# Altium PCB STM32F405_CORE.PcbDoc
Units mil, origin at the board's own origin, x right, y up, seen from the top; angles counter-clockwise.
Board outline 1574.8 x 1377.95 mil, 2 copper layers (Top Layer, Bottom Layer); 35 components, 32 nets, 173 pads, 47 vias.
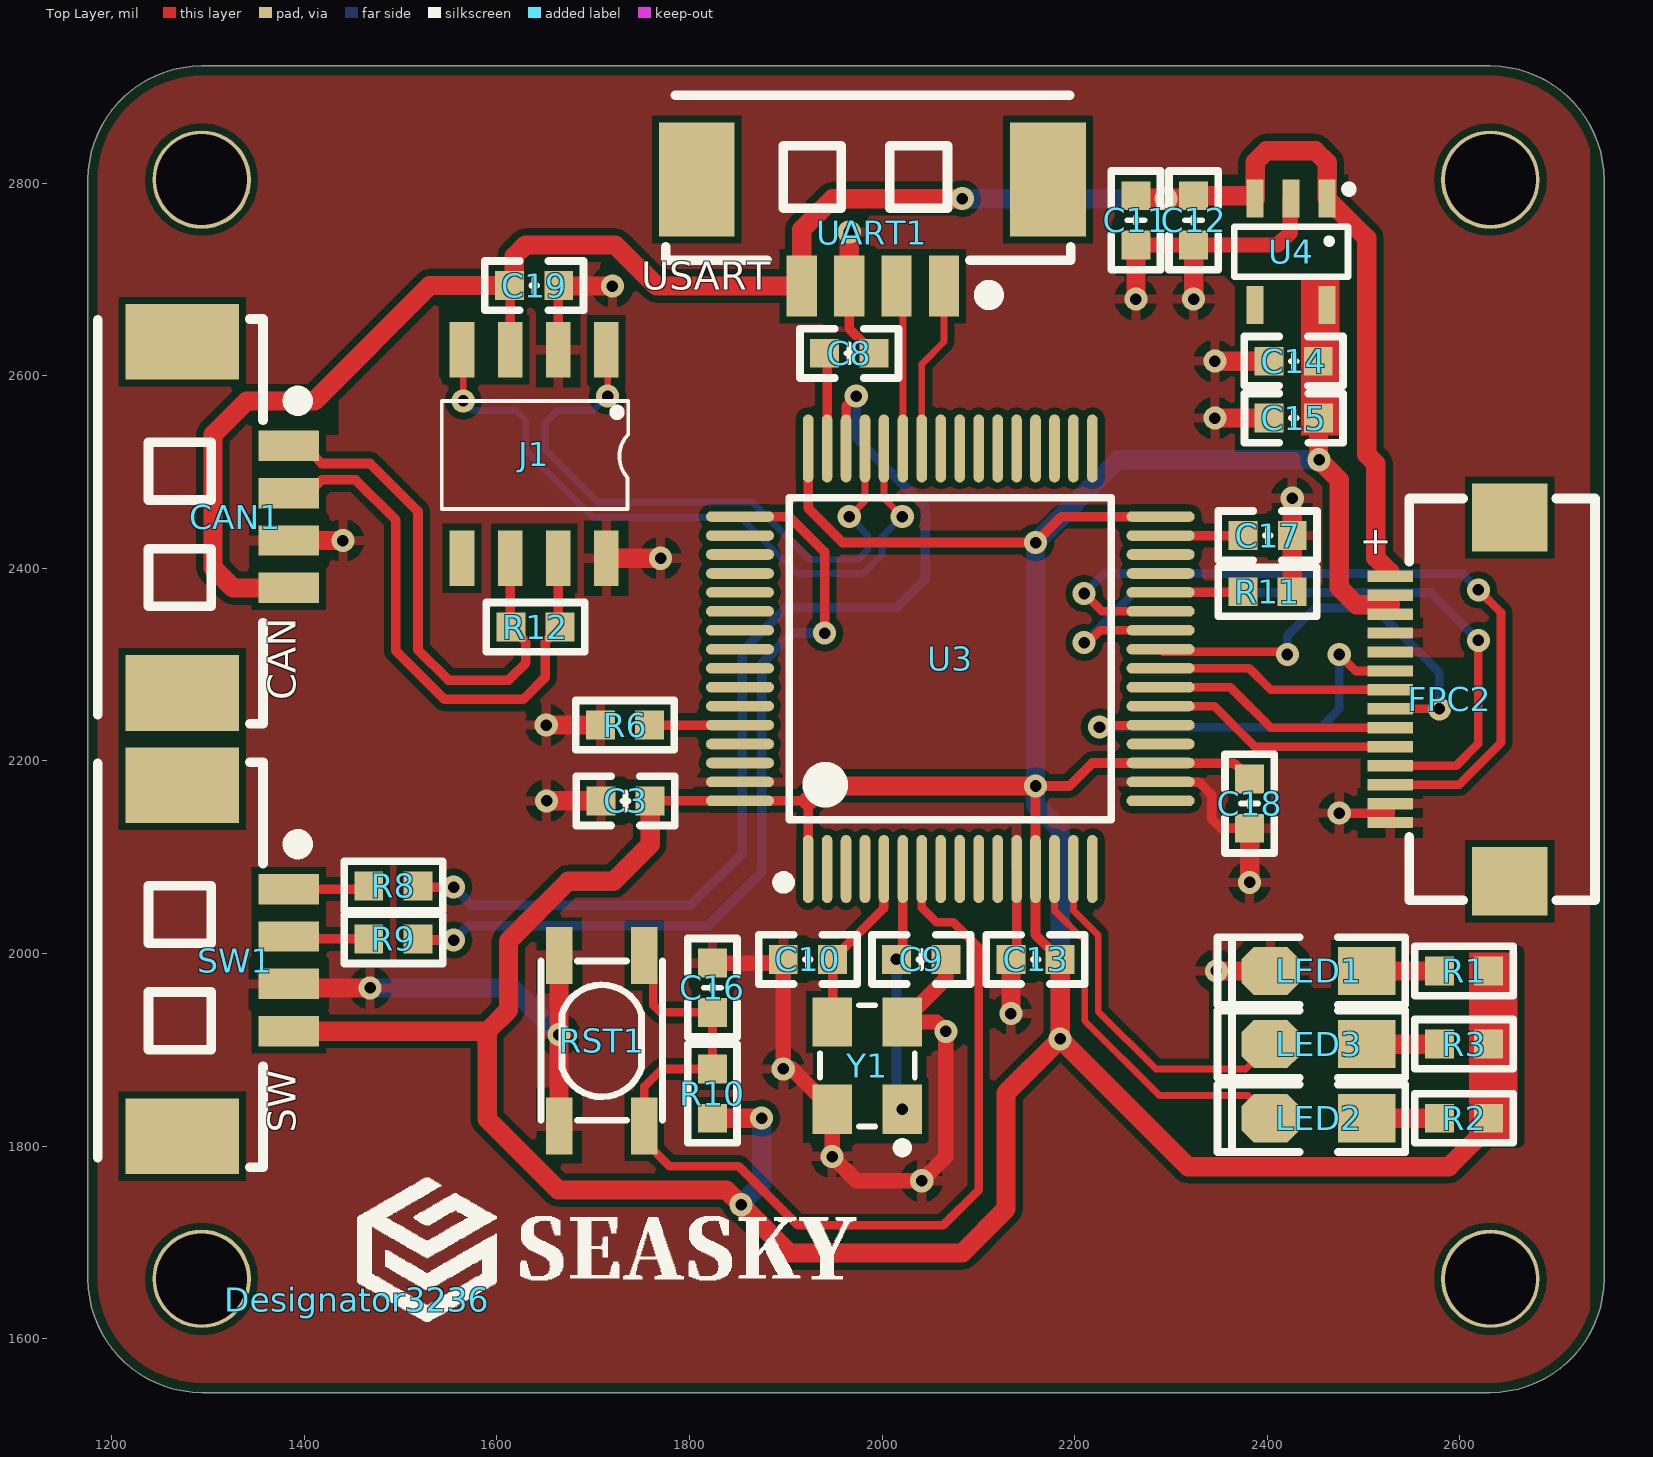
[diagram p0: Top Layer view]
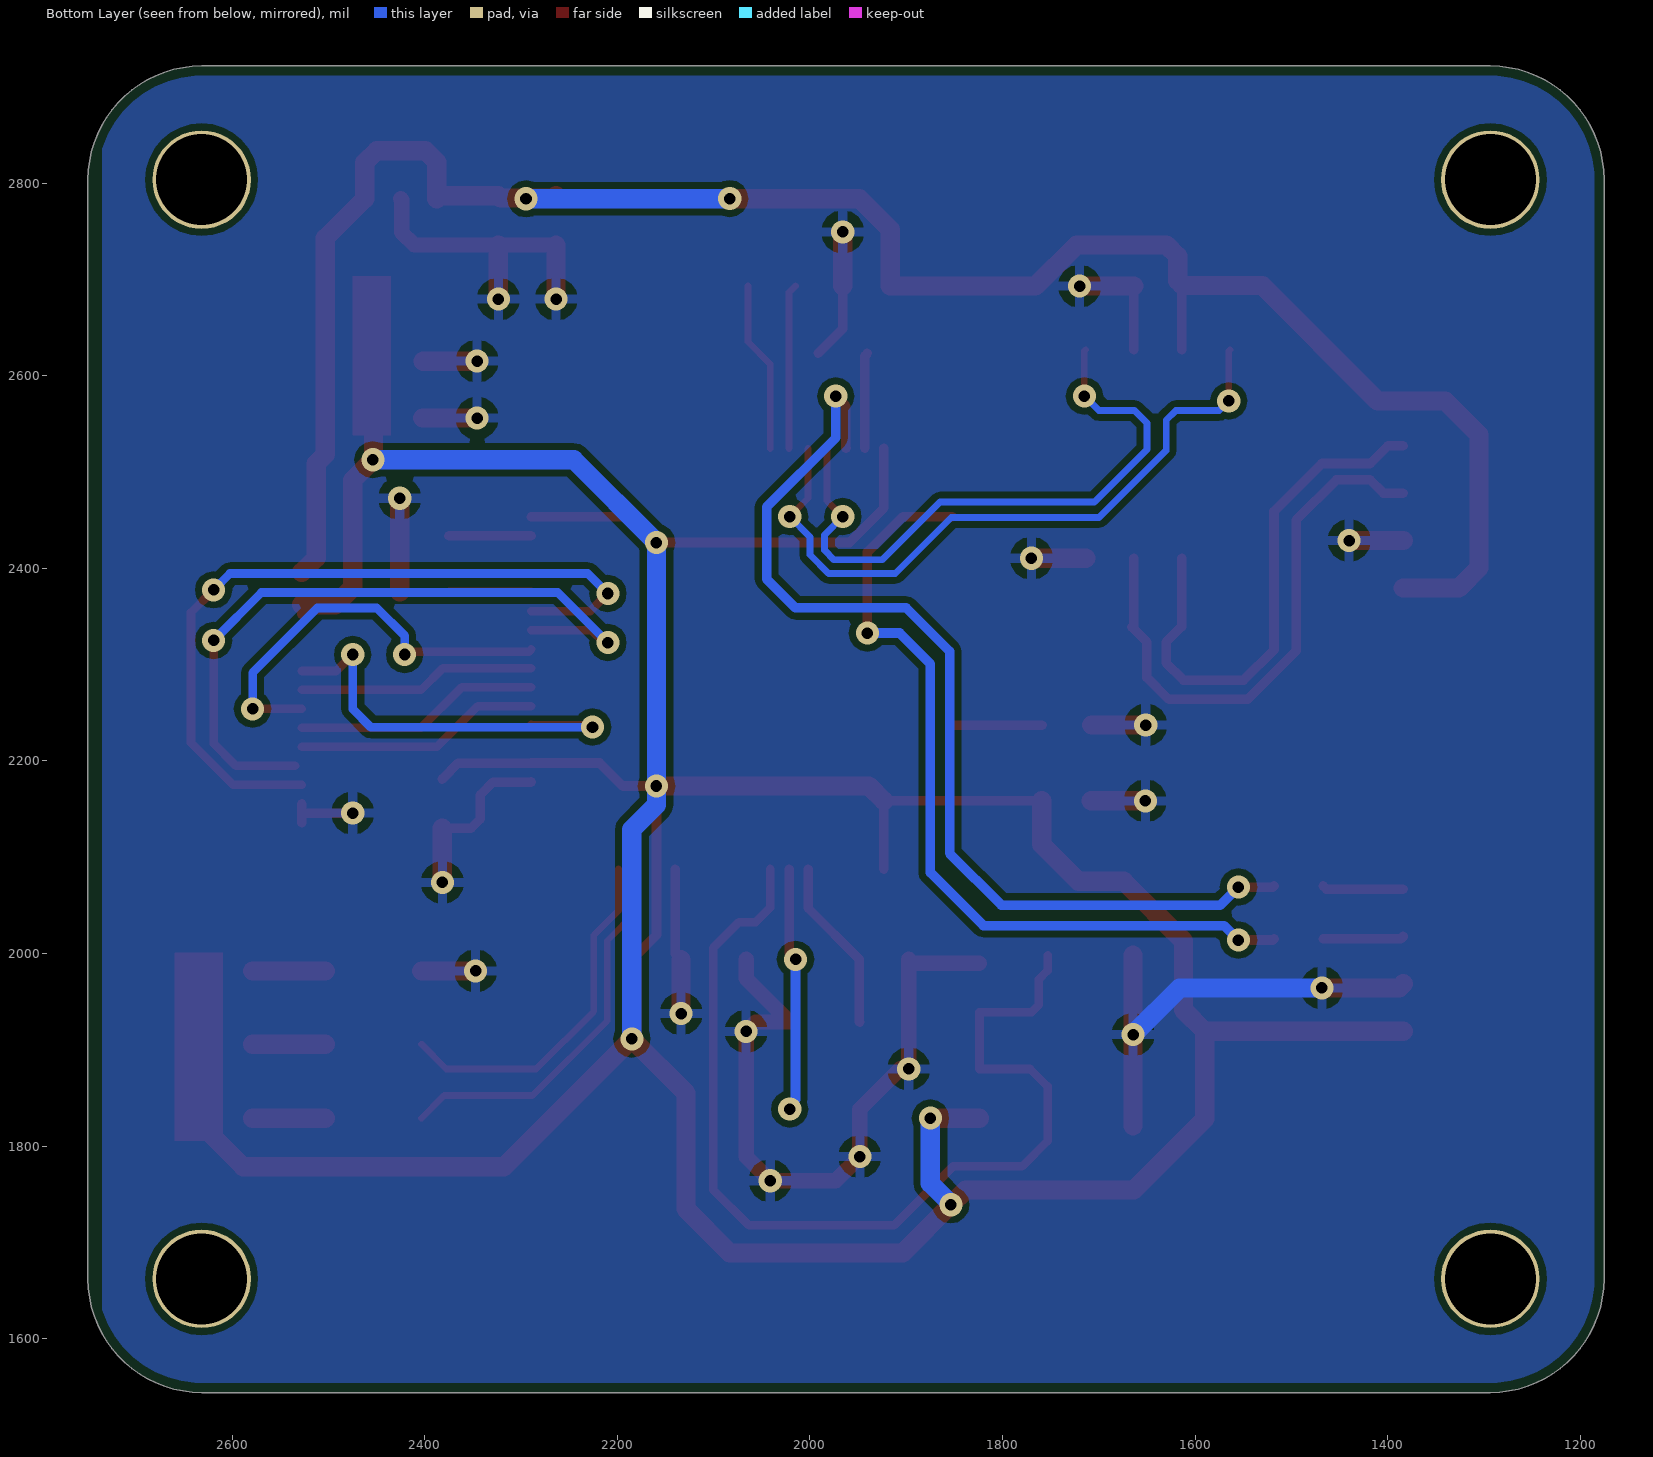
[diagram p1: Bottom Layer view, seen from below]
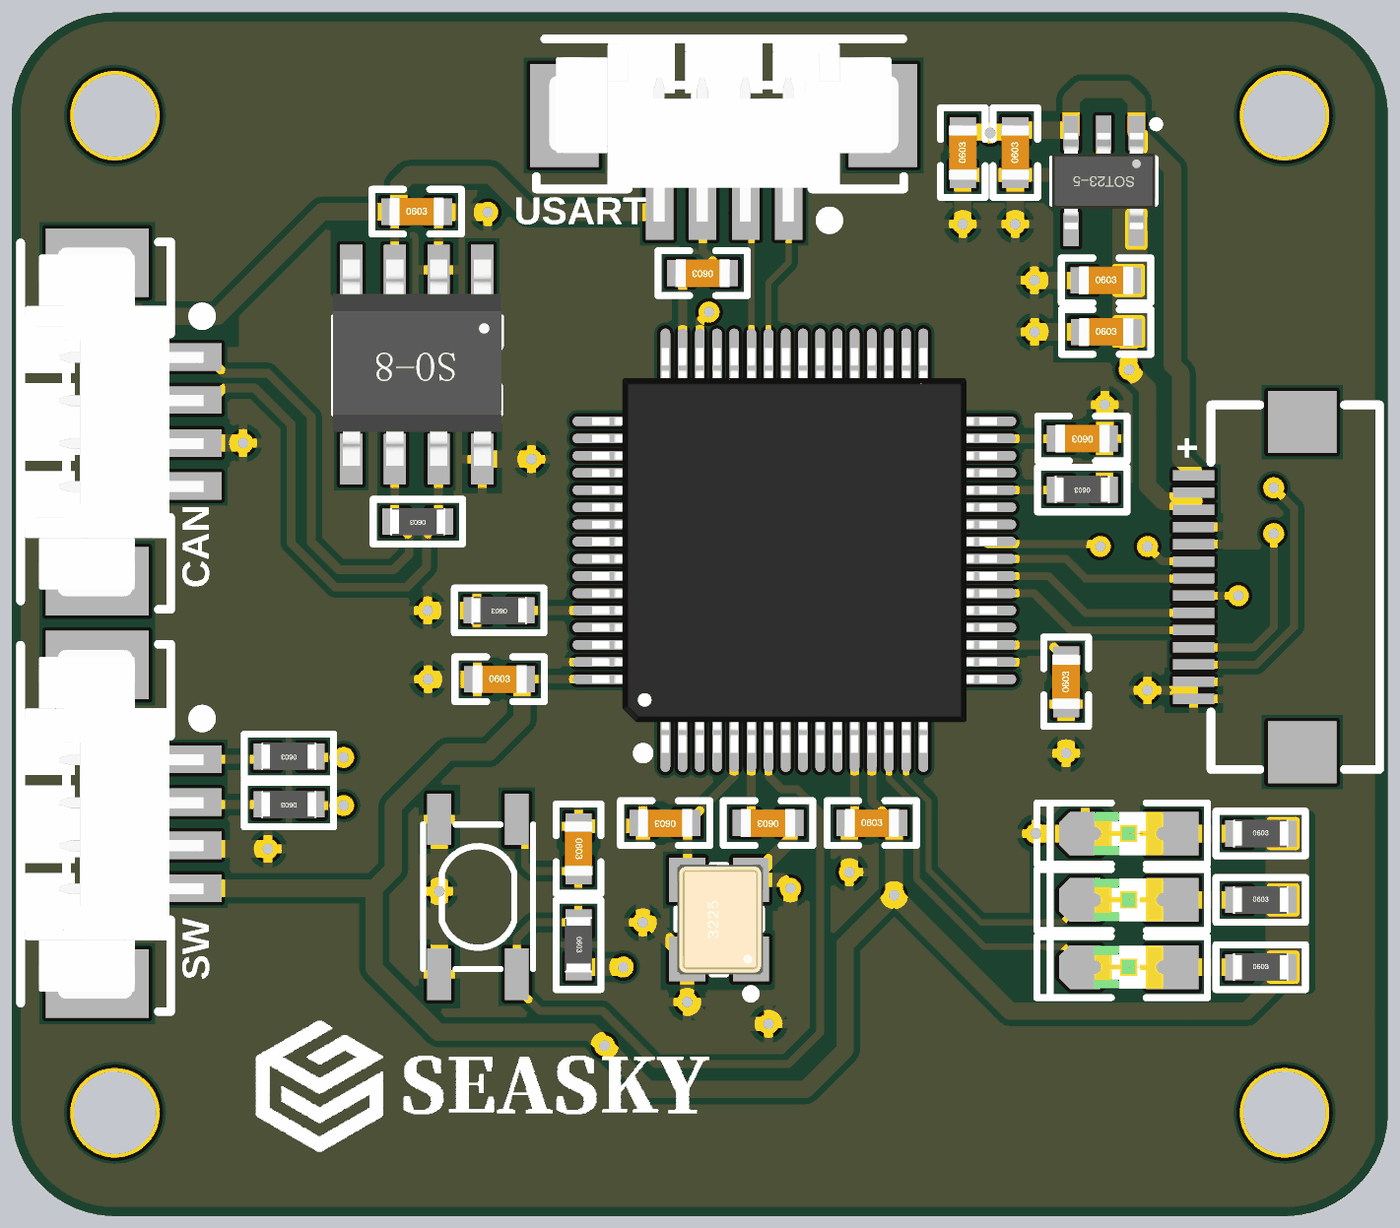
[diagram p2: 3D render of the assembled board from above, using the file's embedded part models]

## Layer stack, top to bottom
Top Solder: solder mask 0.4, Solder Resist, Dk 3.5
Top Layer: signal copper 1.4
Dielectric 1: dielectric 12.6, FR-4, Dk 4.8
Bottom Layer: signal copper 1.4
Bottom Solder: solder mask 0.4, Solder Resist, Dk 3.5

## Board outline
1293.31,1543.96 cw(c1293.31,1662.07) 1175.2,1662.07 1175.2,2803.81 cw(c1293.31,2803.81) 1293.31,2921.92 2631.89,2921.92 cw(c2631.89,2803.81) 2750,2803.81 2750,1662.07 cw(c2631.89,1662.07) 2631.89,1543.96

## Design rules (kind name [scope] priority, off if disabled: settings)
BoardOutlineClearance [All] p1: gap=10 ignorepadtopadclearanceinfootprint=FALSE except(0: Arc-SplitContinuation Track-SplitContinuation SMDPad-SplitContinuation THPad-SplitContinuation Via-SplitContinuation Fill-SplitContinuation Poly-SplitContinuation Region-SplitContinuation Text-SplitContinuation)
Clearance [All] p1: gap=7 ignorepadtopadclearanceinfootprint=FALSE except(0: Arc-Hole Track-Hole SMDPad-Hole THPad-Hole Via-Hole Fill-Hole Poly-Hole Region-Hole Text-Hole)
PolygonConnect [All] p1: connectstyle=Relief reliefconductorwidth=10 reliefentries=4 polygonreliefangle="90 Angle" airgapwidth=10
RoutingVias [All] p1: holewidth=28 width=50 viastyle="Through Hole" minholewidth=28 minwidth=50 maxholewidth=28 maxwidth=50
SolderMaskExpansion [All] p1: expansion=4
Width [All] p1: maxlimit=10 minlimit=10 preferedwidth=10
30 further rules are at their usual default settings.

## Components (designator, comment, footprint, x,y, rotation, side; value= is the part's Value field where it differs from the comment)
C3 "0.1uF" "C 0603_L" 1733.55,2158.54 r0 top
C8 "2.2uF" "C 0603_L" 1965.94,2623.48 r180 top
C9 "22pF" "C 0603_L" 2040.74,1993.85 r180 top
C10 "22pF" "C 0603_L" 1923.06,1993.85 r180 top
C11 "10uF" "C 0603_L" 2263.72,2761.57 r90 top
C12 "0.1uF" "C 0603_L" 2323.72,2761.57 r90 top
C13 "0.1uF" "C 0603_L" 2159.48,1993.85 r0 top
C14 "10uF" "C 0603_L" 2427.61,2615.25 r0 top
C15 "0.1uF" "C 0603_L" 2427.73,2556.17 r0 top
C16 "0.1uF" "C 0603_L" 1823.88,1964.48 r270 top
C17 "2.2uF" "C 0603_L" 2400.59,2434.13 r180 top
C18 "0.1uF" "C 0603_L" 2381.92,2155.67 r90 top
C19 "0.1uF" "C 0603_L" 1638.65,2693.85 r0 top
CAN1 "HDR-1X4" "MX 1.25-WS-4P" 1273.06,2453.06 r270 top
Designator3236 "Comment" SEASKY1 1455,1640.97 r0 top
FPC2 "FPC14" FPC-SMD_P0.50-14P_QCHF-SM-H2.0 2590,2263.96 r270 top
J1 "TJA1050" SOIC-8_150mil 1713.65,2627.13 r270 top locked
LED1 "红色" "LED 0805R" 2453.6,1981.84 r180 top
LED2 "红色" "LED 0805G" 2453.6,1828.84 r180 top
LED3 "红色" "LED 0805G" 2453.6,1905.84 r180 top
R1 "4.7K" "R 0603_L" 2604.6,1981.84 r0 top
R2 "4.7K" "R 0603_L" 2604.6,1828.84 r0 top
R3 "4.7K" "R 0603_L" 2604.6,1905.84 r0 top
R6 "10K" "R 0603_L" 1733.06,2237.28 r180 top
R8 "0R" "R 0603_L" 1492.46,2070.14 r180 top
R9 "0R" "R 0603_L" 1492.46,2015.14 r180 top
R10 "10K" "R 0603_L" 1823.88,1854.48 r270 top
R11 "10K" "R 0603_L" 2400.41,2375.78 r180 top
R12 "120R" "R 0603_L" 1640,2338.96 r180 top
RST1 "RES" SMD-3.2*4.2 1708.88,1909.48 r270 top
SW1 "HDR-1X4" "MX 1.25-WS-4P" 1273.06,1992.5 r270 top
U3 "STM32F405RGT6" LQFP-64_10X10X05P 2070.9,2306.18 r90 top locked
U4 "RT9013-33GB" SOT23-5L 2425,2728.96 r180 top
UART1 "HDR-1X4" "MX 1.25-WS-4P" 1990,2803.96 r180 top
Y1 "12MHz" SMD-3225_4P 2021.06,1838.29 r90 top

## Footprints (in the part's own frame and the unit in brackets; to place one, negate y for a bottom-side part, rotate by r counter-clockwise, add the part's x,y. Pads: shape width x height; smd on the part's side, far side on the other; paste and mask are expansions set on the pad)
"C 0603_L" [mil] "无极性贴片电容                                       淘宝ID:黄晶宝石"
  rect 30x30 smd: 1(-25.59,0) 2(25.59,0)
  silkscreen extent -51,-26 51,26, body extent -31,-16 31,16, height 32
FPC-SMD_P0.50-14P_QCHF-SM-H2.0 [mm]
  rect 0.3x1.2 smd: 1(3.25,-1.575) 2(2.75,-1.575) 3(2.25,-1.575) 4(1.75,-1.575) 5(1.25,-1.575) 6(0.75,-1.575) 7(0.25,-1.575) 8(-0.25,-1.575) 9(-0.75,-1.575) 10(-1.25,-1.575) 11(-1.75,-1.575) 12(-2.25,-1.575) 13(-2.75,-1.575) 14(-3.25,-1.575)
  rect 1.8x2 smd: 15(4.8,1.575) 16(-4.8,1.575)
  silkscreen extent -5.3,-1.08 5.3,3.82
"LED 0805G" [mil] "绿色0805LED                              淘宝ID:黄晶宝石"
  rect 60x50 smd: 1(-50,0)
  oct 60x50 smd: 2(50,0)
  silkscreen extent -90,-35 105,35, body extent -39,-25 39,25, height 26
"LED 0805R" [mil] "红色0805LED                                       淘宝ID:黄晶宝石"
  rect 60x50 smd: 1(-50,0)
  oct 60x50 smd: 2(50,0)
  silkscreen extent -90,-35 105,35, body extent -39,-25 39,25, height 32
LQFP-64_10X10X05P [mil]
  oval 70.7x11.02 smd: 1(-218.5,147.64) 2(-218.5,127.95) 3(-218.5,108.27) 4(-218.5,88.58) 5(-218.5,68.9) 6(-218.5,49.21) 7(-218.5,29.53) 8(-218.5,9.84) 9(-218.5,-9.84) 10(-218.5,-29.53) 11(-218.5,-49.21) 12(-218.5,-68.9) 13(-218.5,-88.58) 14(-218.5,-108.27) 15(-218.5,-127.95) 16(-218.5,-147.64) 33(218.5,-147.64) 34(218.5,-127.95) 35(218.5,-108.27) 36(218.5,-88.58) 37(218.5,-68.9) 38(218.5,-49.21) 39(218.5,-29.53) 40(218.5,-9.84) 41(218.5,9.84) 42(218.5,29.53) 43(218.5,49.21) 44(218.5,68.9) 45(218.5,88.58) 46(218.5,108.27) 47(218.5,127.95) 48(218.5,147.64)
  oval 11.02x70.7 smd: 17(-147.64,-218.5) 18(-127.95,-218.5) 19(-108.27,-218.5) 20(-88.58,-218.5) 21(-68.9,-218.5) 22(-49.21,-218.5) 23(-29.53,-218.5) 24(-9.84,-218.5) 25(9.84,-218.5) 26(29.53,-218.5) 27(49.21,-218.5) 28(68.9,-218.5) 29(88.58,-218.5) 30(108.27,-218.5) 31(127.95,-218.5) 32(147.64,-218.5) 49(147.64,218.5) 50(127.95,218.5) 51(108.27,218.5) 52(88.58,218.5) 53(68.9,218.5) 54(49.21,218.5) 55(29.53,218.5) 56(9.84,218.5) 57(-9.84,218.5) 58(-29.53,218.5) 59(-49.21,218.5) 60(-68.9,218.5) 61(-88.58,218.5) 62(-108.27,218.5) 63(-127.95,218.5) 64(-147.64,218.5)
  silkscreen extent -238,-167 167,179, body extent -232,-232 232,232, height 61
"MX 1.25-WS-4P" [mm] "长：10.15mm，宽：4.2mm，高：3.4mm"
  rect 2x3 smd: 0(-4.632,0) 0(4.632,0)
  rect 0.8x1.6 smd: 1(-1.889,2.811) 2(-0.639,2.811) 3(0.611,2.811) 4(1.861,2.811)
  silkscreen extent -5.23,-2.23 5.45,3.25, body extent -5.07,-2.1 5.07,3.09, height 3.4
"R 0603_L" [mil] "1/10W贴片电阻                 淘宝ID:黄晶宝石"
  rect 30x30 smd: 1(-25.59,0) 2(25.59,0)
  silkscreen extent -51,-26 51,26, body extent -31,-16 32,16, height 16
SEASKY1 [mil]
  silkscreen extent 0,-23 518,126
SMD-3.2*4.2 [mm]
  rect 1.5x0.7 smd: 1(-2.25,1.125) 1(2.25,1.125) 2(-2.25,-1.125) 2(2.25,-1.125)
  silkscreen extent -2.1,-1.6 2.1,1.6, body extent -2.73,-1.6 2.47,1.58, height 1.8
SMD-3225_4P [mm]
  rect 1.3x1.05 smd: 1(0,0) 2(2.3,0) 3(2.3,1.85) 4(0,1.85)
  silkscreen extent -1.14,-0.33 2.74,2.17, body extent -0.46,-0.36 2.74,2.14, height 0.7
SOIC-8_150mil [mm]
  rect 1.473x0.65 smd: 1(0,0) 2(0,-1.27) 3(0,-2.54) 4(0,-3.81) 5(5.5,-3.81) 6(5.5,-2.54) 7(5.5,-1.27) 8(5.5,0)
  silkscreen extent 1.35,-4.34 4.2,0.58, body extent -0.3,-4.34 5.7,0.56, height 1.7
SOT23-5L [mm] "3x1.6x1.1mm(长宽高) 封装库来自淘宝卖家 ID：黄晶宝石"
  rect 0.45x1 smd: 1(-0.95,-1.4) 2(0,-1.4) 3(0.95,-1.4) 4(0.95,1.4) 5(-0.95,1.4)
  silkscreen extent -1.6,-1.73 1.5,0.66, body extent -1.5,-1.4 1.5,1.4, height 1.15

## Part data
C3 C8 C9 C10 C11 C12 C13 C14 C15 C16 C17 C18 C19: library part C, "贴片电容"
CAN1 SW1 UART1: library part "Header 4", "4P接插件"
J1: "CANоƬ"
LED1 LED2 LED3: library part LED-SMD, "贴片LED"
R1 R2 R3 R6 R8 R9 R10 R11 R12: library part R, "贴片电阻"
RST1: library part KEY_M
Y1: library part XTAL_3225, "3225贴片无源晶振"

## Free pads (board coordinates)
  round 102.36 hole 94.49: ""(1293.31,1662.07) ""(1293.31,2803.81) ""(2631.89,1662.07) ""(2631.89,2803.81)

## Via types
v1: diameter 24, hole 12, Top Layer to Bottom Layer, 47 vias

## Nets (pads, with @x,y where several pads share a name; then routed paths per layer and width w, separated by ;. In a path a pad name is that pad's centre, name@x,y a point inside that pad or via, vN(x,y) a via of type N, cw(c..) or ccw(c..) an arc to the next point about the centre after c; other vN are vias at no path point)
CAN1_RX(PA11): J1.4 U3.44 | length 716.5
  Top Layer w7: J1.4 1565,2625.78 v1(1565,2573.96) ; U3.44 2002,2472.88 v1(2021.06,2453.82)
  Bottom Layer w7: v1(1565,2573.96) 1575,2563.96 1620,2563.96 1630,2553.96 1630,2522.61 1699.67,2452.94 1853.29,2452.94 1911.46,2394.76 1980.6,2394.76 2000,2414.16 2000,2432.76 v1(2021.06,2453.82)
CAN1_TX(PA12): J1.1 U3.45 | length 659.8
  Top Layer w7: J1.1 1715,2625.78 v1(1715,2578.96) ; v1(1965.94,2453.82) 1982.32,2470.21 U3.45
  Bottom Layer w7: v1(1715,2578.96) 1700,2563.96 1662.8,2563.96 1650,2551.17 1650,2523.6 1704.63,2468.96 1865,2468.96 1925,2408.96 1975,2408.96 1985,2418.96 1985,2434.76 v1(1965.94,2453.82)
CAN_H: CAN1.2 J1.7 R12.1 | length 586.5
  Top Layer w10: CAN1.2 1404.25,2478.21 1418,2491.96 1453.12,2491.96 1495,2450.09 1495,2314.45 1545.49,2263.96 1627.31,2263.96 1650,2286.65 1650,2323.37 R12.1 1663.65,2340.91 J1.7
CAN_L: CAN1.1 J1.6 R12.2 | length 554.2
  Top Layer w10: CAN1.1 1399.54,2527.42 1418,2508.96 1468.29,2508.96 1518.06,2459.2 1518.06,2315.44 1549.53,2283.96 1612.03,2283.96 1630,2301.93 1630,2323.38 R12.2 1613.65,2339.73 J1.6
CSB1_ACC(PC4): FPC2.8 U3.24 | length 247.9
  Top Layer w9: U3.24 2381.52,2296.34 2404.06,2273.81 FPC2.8
CSB2_GYRO(PC5): FPC2.7 U3.25 | length 439.7
  Top Layer w9: U3.25 2292.07,2313.36 2418.24,2313.36 v1(2421.03,2310.57) ; FPC2.7 v1(2579,2254.12)
  Bottom Layer w9: v1(2421.03,2310.57) 2421.03,2329.99 2450,2358.96 2511.75,2358.96 2579,2291.7 v1(2579,2254.12)
GNDS: C3.1 C8.1 C9.1 C10.2 C11.1 C12.1 C13.1 C14.1 C15.1 C16.1 C17.1 C18.1 C19.2 CAN1.3 FPC2.1 FPC2.2 FPC2.10 FPC2.11 J1.2 J1.8 LED1.2 R6.2 R11.1 RST1.2 SW1.3 U3.12 U3.18 U3.63 U4.2 UART1.3 Y1.2 Y1.4 | length 2662.1
  Top Layer w10: J1.2 1663.65,2693.26 C19.2 ; UART1.3 1965.94,2649.08 C8.1 ; C13.1 2139.8,1999.76 U3.12 ; U3.18 2289.6,2178.04 2329.13,2178.04 2342.52,2164.65 2342.52,2139.48 2351.92,2130.08 C18.1 ; v1(2475,2145.85) 2527.99,2145.85 ; FPC2.1 2527.99,2145.85 ; FPC2.2 2527.99,2145.85
  Top Layer w16: C16.1 1893.69,1990.07 C10.2 v1(1897.47,1880.07) 1906.45,1880.07 Y1.4 v1(1948.23,1788.96) 1973.23,1763.96 v1(2041.34,1763.96) 2066.34,1788.97 v1(2066.34,1919.09) 2056.59,1928.85 Y1.2 2066.34,1974.12 C9.1 ; C11.1 C12.1 2411.03,2735.98 2424.14,2749.09 2424.14,2783.22 U4.2
  Top Layer w20: SW1.3 1387.9,1964.25 v1(1468.29,1964.25) ; CAN1.3 v1(1440,2428.96) v1(1440,2428.96) ; v1(1651.67,2158.58) 1651.7,2158.54 C3.1 ; C19.2@1663.65,2693.26 1719.9,2693.26 v1(1719.94,2693.22) ; RST1.2@1664.59,1820.9 1664.41,1821.07 v1(1664.41,1915.72) 1664.41,1919.4 1664.41,1997.88 RST1.2@1664.59,1998.06 ; R6.2 v1(1651.18,2237.32) ; J1.8 v1(1769.94,2410.56) v1(1769.94,2410.56) ; UART1.3 1965.94,2749.56 v1(1965.97,2749.6) ; v1(2133.85,1937.56) v1(2133.85,1937.56) C13.1 ; C11.1 v1(2263.68,2679.69) ; C12.1 v1(2323.68,2679.69) ; v1(2345.72,2615.28) 2345.76,2615.24 C14.1 ; v1(2345.84,2556.2) 2345.88,2556.17 C15.1 ; v1(2347.31,1981.88) 2347.34,1981.84 LED1.2 ; C18.1 v1(2381.89,2073.79) ; R11.1 2426.09,2375.87 2426.09,2434.04 C17.1 v1(2426.18,2472.88) ; v1(1651.18,2237.32) v1(1651.18,2237.32) ; v1(2263.68,2679.69) v1(2263.68,2679.69) ; v1(2323.68,2679.69) v1(2323.68,2679.69) ; v1(2381.89,2073.79) v1(2381.89,2073.79)
  Bottom Layer w20: v1(1468.29,1964.25) 1575,1964.25 1615.89,1964.25 v1(1664.41,1915.72)
INT1_ACCEL(PB0): FPC2.4 U3.26 | length 737.5
  Top Layer w9: v1(2210,2323.02) 2214.06,2323.02 2226.76,2335.71 U3.26 ; FPC2.4@2534.87,2195.06 2596.42,2195.06 2619.47,2218.11 v1(2619.47,2325.26)
  Bottom Layer w9: v1(2210,2323.02) 2261.95,2374.96 2569.77,2374.96 v1(2619.47,2325.26)
INT3_GYRO(PB1): FPC2.3 U3.27 | length 813.8
  Top Layer w9: v1(2210,2373.96) 2228.57,2355.39 U3.27 ; FPC2.3 2599.37,2175.38 2642.97,2218.98 2642.97,2354.25 v1(2619.47,2377.75)
  Bottom Layer w9: v1(2210,2373.96) 2230.8,2394.76 2602.45,2394.76 v1(2619.47,2377.75)
LED1(PA0): LED2.2 U3.14 | length 405.6
  Top Layer w7: U3.14 2179.17,2044.6 2210.57,2013.2 2210.57,1930.03 2288.16,1852.44 2379.99,1852.44 LED2.2
LED2(PA1): LED3.2 U3.15 | length 372.9
  Top Layer w7: U3.15 2198.85,2044.71 2224.57,2019 2224.57,1939.94 2284.44,1880.07 2377.83,1880.07 LED3.2
NetC8_2: C8.2 U3.47 | length 99.9
  Top Layer w10: C8.2 1942.95,2620.88 U3.47
NetC9_2: C9.2 U3.6 Y1.1 | length 255.2
  Top Layer w10: v1(2015,1993.96) 2015,1993.7 C9.2 2021.69,2000.39 U3.6
  Bottom Layer w10: v1(2015,1993.96) 2015,1848.15 2021.06,1842.08 v1(2021.06,1838.29)
NetC10_1: C10.1 U3.5 Y1.3 | length 181.1
  Top Layer w10: Y1.3 1948.65,1929.26 C10.1 2001.81,2047.01 2001.81,2087.49 U3.5
NetC17_2: C17.2 U3.31 | length 85.6
  Top Layer w10: U3.31 C17.2
NetLED1_1: LED1.1 R1.1 | length 75.4
  Top Layer w20: LED1.1 R1.1
NetLED2_1: LED2.1 R2.1 | length 75.4
  Top Layer w20: LED2.1 R2.1
NetLED3_1: LED3.1 R3.1 | length 75.4
  Top Layer w20: LED3.1 R3.1
NetR6_1: R6.1 U3.60 | length 93.8
  Top Layer w10: R6.1@1758.65,2237.28 U3.60
NetR8_2: R8.2 SW1.1 | length 84.5
  Top Layer w10: SW1.1 1463.6,2066.86 R8.2
NetR9_2: R9.2 SW1.2 | length 84.2
  Top Layer w10: SW1.2 1386.22,2015.14 R9.2
NetR11_2: R11.2 U3.28 | length 85.7
  Top Layer w9: R11.2@2374.12,2375.08 R11.2
  Top Layer w10: U3.28 R11.2@2374.12,2375.08
NRST: C16.2 R10.1 RST1.1 U3.7 | length 1080.4
  Top Layer w9: RST1.1@1753.17,1998.06 1753.17,1982.31 1762.45,1973.03 1762.45,1946.38 1769.94,1938.89 C16.2 R10.1 1771.42,1880.07 1753.17,1861.83 1753.17,1820.9 1753.17,1805.15 1779.36,1778.96 1851.26,1778.96 1912.53,1717.69 2063.73,1717.69 2100.43,1754.4 2100.43,2006.02 2073.9,2032.55 2056.59,2032.55 2041.37,2047.76 U3.7
SPI1_MISO(PA6): FPC2.5 U3.22 | length 256.1
  Top Layer w9: U3.22 2345.18,2256.97 2387.4,2214.75 FPC2.5
SPI1_MOSI(PA7): FPC2.6 U3.23 | length 256.1
  Top Layer w9: U3.23 2361.84,2276.65 2404.06,2234.43 FPC2.6
SPI1_SCK(PA5): FPC2.9 U3.21 | length 437.9
  Top Layer w9: v1(2225.95,2235.15) 2227.7,2236.9 2289.02,2236.9 U3.21 ; v1(2475,2310.57) 2492.08,2293.49 FPC2.9
  Bottom Layer w9: v1(2225.95,2235.15) 2456.18,2235.15 2475,2253.96 v1(2475,2310.57)
SWCLK(PA14): R9.1 U3.49 | length 869.3
  Top Layer w10: R9.1 1519.23,2013.96 v1(1555,2013.96) ; U3.49 1903.57,2453.82 1940.35,2417.05 v1(1940.35,2332.86)
  Bottom Layer w10: v1(1555,2013.96) 1570,2028.96 1820,2028.96 1875,2083.96 1875,2300.91 1906.95,2332.86 v1(1940.35,2332.86)
SWDIO(PA13): R8.1 U3.46 | length 1077
  Top Layer w10: R8.1 1519.23,2068.96 v1(1555,2068.96) ; U3.46 1962.83,2524.88 1962.83,2568.56 v1(1973.23,2578.96)
  Bottom Layer w10: v1(1555,2068.96) 1573.77,2050.19 1801.23,2050.19 1855,2103.96 1855,2313.96 1900,2358.96 2015,2358.96 2045.06,2389.03 2045.06,2463.76 1973.23,2535.6 v1(1973.23,2578.96)
USART1_RX(PA10): U3.43 UART1.2 | length 171.3
  Top Layer w7: UART1.2 2021.69,2686.76 U3.43
USART1_TX(P9): U3.42 UART1.1 | length 178.1
  Top Layer w7: U3.42 2041.37,2612.44 2064.36,2635.42 UART1.1
VCC3V3S: C3.2 C13.2 C14.2 C15.2 C18.2 FPC2.12 FPC2.13 R1.2 R2.2 R3.2 R10.2 SW1.4 U3.1 U3.13 U3.19 U3.32 U3.48 U3.64 U4.5 | length 4691.4
  Top Layer w10: C3.2 U3.64 1923.26,2158.54 U3.1 ; U3.48 1923.26,2462.56 1958.92,2426.9 v1(2159.48,2426.9) 2186.41,2453.82 U3.32 ; C13.2 2159.48,2019.44 U3.13 v1(2159.48,2173.96) 2194.59,2173.96 2218.54,2197.91 U3.19 2289.6,2197.72 2365.46,2197.72 C18.2 ; FPC2.12 2527.99,2362.39 FPC2.13
  Top Layer w20: SW1.4 1589.96,1919.23 ; C3.2 1759.14,2113.1 1721.02,2074.98 1674.16,2074.98 1612.03,2012.85 1612.03,1941.3 1589.96,1919.23 ; R10.2 R10.2 1874.96,1828.93 v1(1875,1828.96) ; 1923.26,2158.54 1938.68,2173.96 v1(2159.48,2173.96) ; C13.2 v1(2185.07,1911.28) ; C15.2 2453.31,2513.6 v1(2454.03,2512.88) 2475,2491.91 2475,2380.18 2492.79,2362.39 2527.99,2362.39 ; R2.2 2630.19,1820.07 2588.7,1778.58 2317.77,1778.58 v1(2185.07,1911.28) ; 1589.96,1919.23 1589.96,1828.09 1663.65,1754.4 1838.29,1754.4 v1(1853.73,1738.96) 1903.73,1688.96 2083.37,1688.96 2128.89,1734.48 2128.89,1855.1 v1(2185.07,1911.28)
  Bottom Layer w20: v1(1853.73,1738.96) 1853.73,1740.05 1875,1761.32 v1(1875,1828.96) ; v1(2185.07,1911.28) 2185.07,2128.89 2159.48,2154.48 v1(2159.48,2173.96) v1(2159.48,2426.9) 2245.47,2512.88 v1(2454.03,2512.88)
VCC5VS: C11.2 C12.2 C19.1 CAN1.4 FPC2.14 J1.3 U4.1 U4.3 UART1.4 | length 2172.1
  Top Layer w10: C19.1 1613.65,2693.25 J1.3
  Top Layer w20: CAN1.4 1325.82,2379.79 1305,2400.61 1305,2538.96 1340,2573.96 1410.43,2573.96 1530.32,2693.85 C19.1 1618.06,2698.85 1618.06,2724.26 1629.77,2735.98 1722.98,2735.98 1765.65,2693.31 UART1.4 1916.72,2752.16 1948.65,2784.08 v1(2083.37,2784.08) ; C11.2 2266.15,2784.73 v1@2294.23,2784.73 ; v1(2295,2783.96) v1@2294.23,2784.73 ; U4.3 U4.3@2387.6,2786.02 ; FPC2.14@2527.99,2396.01 2513,2410.99 2513,2508.91 2503.6,2518.31 2503.6,2742.88 U4.1 2462.4,2821.56 2450,2833.96 2399.31,2833.96 2387.6,2822.25 U4.3@2387.6,2786.02 ; v1@2294.23,2784.73 2321.29,2784.73 C12.2 2386.46,2787.16 U4.3@2387.6,2786.02
  Bottom Layer w20: v1(2083.37,2784.08) 2083.49,2783.96 v1(2295,2783.96)
pads on no net: CAN1.0 FPC2.15 FPC2.16 J1.5 SW1.0 U3.2 U3.3 U3.4 U3.8 U3.9 U3.10 U3.11 U3.16 U3.17 U3.20 U3.29 U3.30 U3.33 U3.34 U3.35 U3.36 U3.37 U3.38 U3.39 U3.40 U3.41 U3.50 U3.51 U3.52 U3.53 U3.54 U3.55 U3.56 U3.57 U3.58 U3.59 U3.61 U3.62 U4.4 UART1.0

## Polygon pours and split planes (outlines as drawn)
GNDS on Top Layer "Top Layer-GNDS" (solid, remove dead copper, pour order 4): 1155,1528.96 2735,1528.96 2735,2948.96 1145,2948.96 1140,2943.96
GNDS on Bottom Layer "Bottom Layer-GNDS" (solid, remove dead copper, pour order 6): 1165,2928.96 1170,2923.96 1170,1548.96 2735,1548.96 2735,2928.96

## Other copper
Top Layer:
  rectangle net VCC3V3S: 2435,2538.18 2475,2703.96
  rectangle net VCC3V3S: 2610,1805.15 2660,2001.25
  pour cut-out: 2241.72,2809.16 2243.04,2807.84 2243.04,2703.96 2355.74,2703.96 2367.13,2692.57 2367.13,2521.17 2484.37,2521.17 2484.37,2521.16 2484.37,2809.16
  pour cut-out: 2331.76,2375.08 2331.76,2300.05 2358,2273.81 2480.54,2273.81 2480.54,2374.64 2475,2380.18
  pour cut-out: 2542.32,2307 2542.32,2303.18 2542.32,2215.31 2627.4,2215.31 2633.91,2221.82 2633.91,2307
  pour cut-out: 2340,1963.96 2340,1806.3 2353.6,1792.7 2358.91,1798.01 2647.52,1798.01 2647.52,1959.17 2642.44,1964.25
  pour cut-out: 1930,1953.96 1928.15,1952.11 1928.15,1802.42 2045.45,1802.42 2048.73,1805.7 2046.26,1808.18 2046.26,1955.07
  pour cut-out: 1593.85,2446.59 1593.85,2318.41 1680.85,2318.41 1680.85,2446.59
  pour cut-out: 1350,2573.96 1350.53,2573.43 1350.53,2538.96 1435.2,2538.96 1435.2,2598.74
  pour cut-out: 1540,2693.96 1540,2599.18 1548.27,2590.91 1548.49,2591.13 1630.85,2591.13 1630.85,2705.81 1627.94,2708.73

## Silkscreen, mask and mechanical layers (free items; w line width, h text height)
Top Overlay:
  text "USART" at 1749.72,2679.69 h50
  text "+" at 2535,2410.56 h50 r90
  text "CAN" at 1400.93,2262.88 h50 r90
  text "SW" at 1400.93,1813.96 h50 r90
Mechanical 1:
  the board outline again, w10
Drill Drawing:
  lines w6: 1175.2,1662.07 ccw(c1293.31,1662.07) 1293.31,1543.96 2631.89,1543.96 ccw(c2631.89,1662.07) 2750,1662.07 2750,1928.33 2750,2597.62 2750,2803.81 ccw(c2631.89,2803.81) 2631.89,2921.92 1293.31,2921.92 ccw(c1293.31,2803.81) 1175.2,2803.81 1175.2,1662.07